# Altium PCB DD2088PoE_Daisy_Chain.PcbDoc (part 2 of 6) (continued)
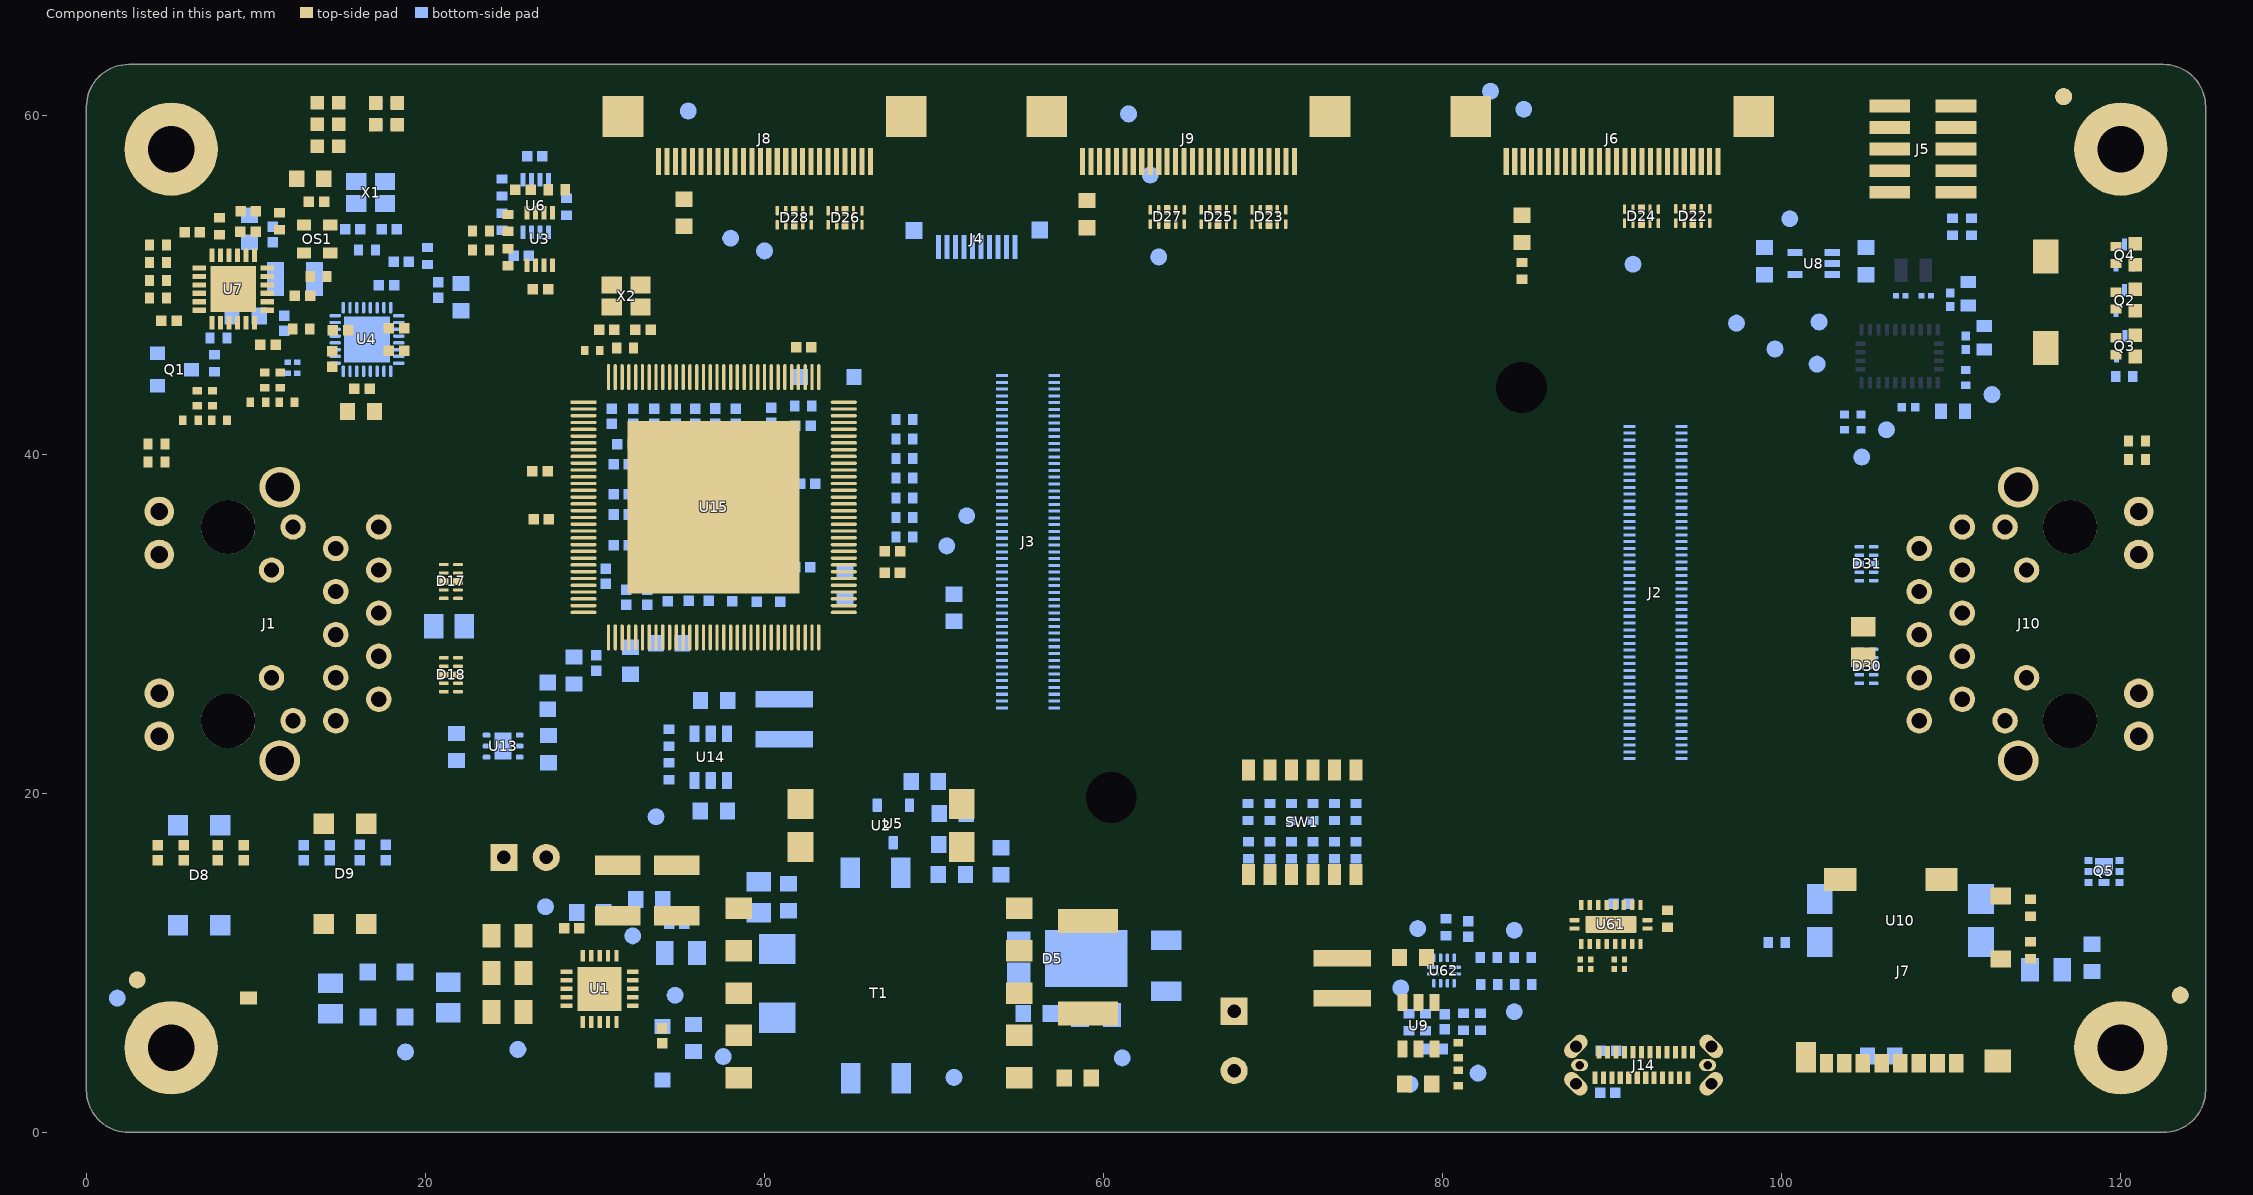
[diagram p6: the components of this part, seen from the top]
## Part data (continued)
R57 R58 R59 R70 R71 R72 R73 R74 R97 R98: library part CRCW0402470RFKED, "RES SMD 470 OHM 1% 1/16W 0402", Case Code (Imperial)=0402, Case Code (Metric)=1005, Manufacturer 1=Vishay, Max Operating Temperature=155°C, Max Power Dissipation=63mW, Min Operating Temperature=-55°C, Package Quantity=10, Resistance=470R, Supplier Part Number 1=541-470LCT-ND, Temperature Coefficient=100ppm/°C, Tolerance=1%, Voltage Rating=50V, Case/Package=0402, ComponentLink1Description=https://datasheet.ciiva.com/11811/0900766b80d98824-11811416.pdf?src-supplier=RSComponents, ComponentLink1URL=https://datasheet.ciiva.com/11811/0900766b80d98824-11811416.pdf?src-supplier=RSComponents, ComponentLink2Description=https://datasheet.ciiva.com/16764/70201119-16764886.pdf?src-supplier=Allied+Electronics, ComponentLink2URL=https://datasheet.ciiva.com/16764/70201119-16764886.pdf?src-supplier=Allied+Electronics, ComponentLink3Description=https://datasheet.ciiva.com/28613/1720486-28613479.pdf?src-supplier=Element14, ComponentLink3URL=https://datasheet.ciiva.com/28613/1720486-28613479.pdf?src-supplier=Element14, ComponentLink4Description=https://datasheet.ciiva.com/3256/dcrcwe3-3256553.pdf?src-supplier=Avnet, ComponentLink4URL=https://datasheet.ciiva.com/3256/dcrcwe3-3256553.pdf?src-supplier=Avnet, ComponentLink5Description=https://datasheet.ciiva.com/7777/1720486-7777243.pdf?src-supplier=Element14, ComponentLink5URL=https://datasheet.ciiva.com/7777/1720486-7777243.pdf?src-supplier=Element14, ComponentLink6Description=https://datasheet.ciiva.com/8336/dcrcwe3-8336715.pdf?src-supplier=Avnet, ComponentLink6URL=https://datasheet.ciiva.com/8336/dcrcwe3-8336715.pdf?src-supplier=Avnet, ComponentLink7Description=https://datasheet.ciiva.com/7777/1697337-7777244.pdf?src-supplier=Element14, ComponentLink7URL=https://datasheet.ciiva.com/7777/1697337-7777244.pdf?src-supplier=Element14, ComponentLink8Description=https://datasheet.ciiva.com/2463/dcrcwe3-2463085.pdf?src-supplier=Digi-Key, ComponentLink8URL=https://datasheet.ciiva.com/2463/dcrcwe3-2463085.pdf?src-supplier=Digi-Key, ComponentLink9Description=https://datasheet.ciiva.com/16362/dcrcwe3-16362109.pdf?src-supplier=Future+Electronics, ComponentLink9URL=https://datasheet.ciiva.com/16362/dcrcwe3-16362109.pdf?src-supplier=Future+Electronics, ComponentLink10Description=https://datasheet.ciiva.com/16882/dcrcwe3-16882493.pdf?src-supplier=Avnet+Europe, ComponentLink10URL=https://datasheet.ciiva.com/16882/dcrcwe3-16882493.pdf?src-supplier=Avnet+Europe, ComponentLink11Description=https://datasheet.ciiva.com/2463/dcrcwe3-2463086.pdf?src-supplier=Digi-Key, ComponentLink11URL=https://datasheet.ciiva.com/2463/dcrcwe3-2463086.pdf?src-supplier=Digi-Key, ComponentLink12Description=https://datasheet.ciiva.com/2463/dcrcwe3-2463087.pdf?src-supplier=Digi-Key, ComponentLink12URL=https://datasheet.ciiva.com/2463/dcrcwe3-2463087.pdf?src-supplier=Digi-Key, Composition="Thick Film", Contact Plating=Tin, Depth=0.5mm, Features="Automotive AEC-Q200", Height=0.35mm, Lead Free="Lead Free", Length=1mm, Manufacturer Part Number 1=CRCW0402470RFKED, Military Standard=Not, Mount="Surface Mount", Number of Terminations=2, Packaging="Tape and Reel", Power Rating=63mW, Pricing 1="1=0.10000, 10=0.03800, 100=0.01540, 1000=0.00690, 2500=0.00599, 5000=0.00495 (USD)", Radiation Hardening=No, REACH SVHC=Unknown, RoHS=Yes, Stock 1=9199, Supplier 1=Digi-Key, Supplier 2=Newark, Supplier Part Number 2=26W9133, Termination=SMD/SMT, Voltage Rating (DC)=50V, Weight=2.3E-05oz, Width=0.5mm
R66 R67 RZ1 RZ2: library part CRCW04020000Z0ED, "RES SMD 0 OHM JUMPER 1/16W 0402", Case Code (Imperial)=0402, Case Code (Metric)=1005, Manufacturer 1=Vishay, Max Operating Temperature=155°C, Max Power Dissipation=63mW, Min Operating Temperature=-55°C, Package Quantity=1, Resistance=0mR, Supplier Part Number 1=541-0.0JCT-ND, Temperature Coefficient=100ppm/°C, Tolerance=5%, Voltage Rating=50V, Case/Package=0402, ComponentLink1Description=https://datasheet.ciiva.com/3255/dcrcwe3-3255944.pdf?src-supplier=Avnet, ComponentLink1URL=https://datasheet.ciiva.com/3255/dcrcwe3-3255944.pdf?src-supplier=Avnet, ComponentLink2Description=https://datasheet.ciiva.com/3255/dcrcwe3-3255945.pdf?src-supplier=Avnet, ComponentLink2URL=https://datasheet.ciiva.com/3255/dcrcwe3-3255945.pdf?src-supplier=Avnet, ComponentLink3Description=https://datasheet.ciiva.com/16881/dcrcwe3-16881413.pdf?src-supplier=Avnet+Europe, ComponentLink3URL=https://datasheet.ciiva.com/16881/dcrcwe3-16881413.pdf?src-supplier=Avnet+Europe, ComponentLink4Description=https://datasheet.ciiva.com/2461/dcrcwe3-2461962.pdf?src-supplier=Digi-Key, ComponentLink4URL=https://datasheet.ciiva.com/2461/dcrcwe3-2461962.pdf?src-supplier=Digi-Key, ComponentLink5Description=https://datasheet.ciiva.com/7841/1720486-7841802.pdf?src-supplier=Element14, ComponentLink5URL=https://datasheet.ciiva.com/7841/1720486-7841802.pdf?src-supplier=Element14, ComponentLink6Description=https://datasheet.ciiva.com/2461/dcrcwe3-2461963.pdf?src-supplier=Digi-Key, ComponentLink6URL=https://datasheet.ciiva.com/2461/dcrcwe3-2461963.pdf?src-supplier=Digi-Key, ComponentLink7Description=https://datasheet.ciiva.com/2461/dcrcwe3-2461964.pdf?src-supplier=Digi-Key, ComponentLink7URL=https://datasheet.ciiva.com/2461/dcrcwe3-2461964.pdf?src-supplier=Digi-Key, ComponentLink8Description=https://datasheet.ciiva.com/7841/1697337-7841468.pdf?src-supplier=Element14, ComponentLink8URL=https://datasheet.ciiva.com/7841/1697337-7841468.pdf?src-supplier=Element14, ComponentLink9Description=https://datasheet.ciiva.com/16761/70200976-16761309.pdf?src-supplier=Allied+Electronics, ComponentLink9URL=https://datasheet.ciiva.com/16761/70200976-16761309.pdf?src-supplier=Allied+Electronics, ComponentLink10Description=https://datasheet.ciiva.com/26311/fld-crcw-e3-data-en-26311550.pdf?src-supplier=Distrelec, ComponentLink10URL=https://datasheet.ciiva.com/26311/fld-crcw-e3-data-en-26311550.pdf?src-supplier=Distrelec, Composition="Thick Film", Contact Plating=Tin, Depth=0.5mm, Features="Automotive AEC-Q200", Height=0.35mm, Lead Free="Lead Free", Length=1mm, Manufacturer Part Number 1=CRCW04020000Z0ED, Military Standard=Not, Mount="Surface Mount", Number of Terminations=2, Packaging="Tape and Reel", Power Rating=63mW, Pricing 1="1=0.10000, 10=0.03400, 25=0.02440, 50=0.01860, 100=0.01380, 250=0.01048, 500=0.00840, 1000=0.00618, 5000=0.00443 (USD)", Radiation Hardening=No, REACH SVHC=Unknown, RoHS=Yes, Stock 1=855968, Supplier 1=Digi-Key, Termination=SMD/SMT, Voltage Rating (DC)=50V, Weight=2.3E-05oz, Width=0.5mm
R68: library part CRCW0402249KFKED, "RES SMD 249K OHM 1% 1/16W 0402", Case Code (Imperial)=0402, Case Code (Metric)=1005, Manufacturer 1=Vishay, Max Operating Temperature=155°C, Max Power Dissipation=63mW, Min Operating Temperature=-55°C, Package Quantity=10, Resistance=249kR, Supplier Part Number 1=541-249KLCT-ND, Temperature Coefficient=100ppm/°C, Tolerance=1%, Voltage Rating=50V, Case/Package=0402, ComponentLink1Description=https://datasheet.ciiva.com/11809/0900766b80d98824-11809983.pdf?src-supplier=RSComponents, ComponentLink1URL=https://datasheet.ciiva.com/11809/0900766b80d98824-11809983.pdf?src-supplier=RSComponents, ComponentLink2Description=https://datasheet.ciiva.com/22871/70201119-22871976.pdf?src-supplier=Allied+Electronics, ComponentLink2URL=https://datasheet.ciiva.com/22871/70201119-22871976.pdf?src-supplier=Allied+Electronics, ComponentLink3Description=https://datasheet.ciiva.com/22709/1697337-22709034.pdf?src-supplier=Element14, ComponentLink3URL=https://datasheet.ciiva.com/22709/1697337-22709034.pdf?src-supplier=Element14, ComponentLink4Description=https://datasheet.ciiva.com/7673/1697337-7673998.pdf?src-supplier=Element14, ComponentLink4URL=https://datasheet.ciiva.com/7673/1697337-7673998.pdf?src-supplier=Element14, ComponentLink5Description=https://datasheet.ciiva.com/2463/dcrcwe3-2463808.pdf?src-supplier=Digi-Key, ComponentLink5URL=https://datasheet.ciiva.com/2463/dcrcwe3-2463808.pdf?src-supplier=Digi-Key, ComponentLink6Description=https://datasheet.ciiva.com/2463/dcrcwe3-2463809.pdf?src-supplier=Digi-Key, ComponentLink6URL=https://datasheet.ciiva.com/2463/dcrcwe3-2463809.pdf?src-supplier=Digi-Key, ComponentLink7Description=https://datasheet.ciiva.com/5542/dcrcwe3-109170-5542680.pdf?src-supplier=Mouser, ComponentLink7URL=https://datasheet.ciiva.com/5542/dcrcwe3-109170-5542680.pdf?src-supplier=Mouser, ComponentLink8Description=https://datasheet.ciiva.com/16774/70201119-16774040.pdf?src-supplier=Allied+Electronics, ComponentLink8URL=https://datasheet.ciiva.com/16774/70201119-16774040.pdf?src-supplier=Allied+Electronics, ComponentLink9Description=https://datasheet.ciiva.com/7743/125364-7743531.pdf?src-supplier=Element14, ComponentLink9URL=https://datasheet.ciiva.com/7743/125364-7743531.pdf?src-supplier=Element14, ComponentLink10Description=https://datasheet.ciiva.com/7673/1697337-7673997.pdf?src-supplier=Element14, ComponentLink10URL=https://datasheet.ciiva.com/7673/1697337-7673997.pdf?src-supplier=Element14, Composition="Thick Film", Contact Plating=Tin, Depth=0.5mm, Features="Automotive AEC-Q200", Height=0.35mm, Lead Free="Lead Free", Length=1mm, Manufacturer 2=Vishay, Manufacturer Part Number 1=CRCW0402249KFKED, Manufacturer Part Number 2=CRCW0402249KFKED, Military Standard=Not, Number of Terminations=2, Packaging="Tape and Reel", Power Rating=63mW, Pricing 1="1=0.10000, 10=0.03800, 100=0.01540, 1000=0.00690, 2500=0.00599, 5000=0.00495 (USD)", Pricing 2="1=0.10000, 10=0.03800, 100=0.01540, 1000=0.00690, 2500=0.00599, 5000=0.00495 (USD)", REACH SVHC=Unknown, RoHS=Yes, Stock 1=241, Stock 2=241, Supplier 1=Digi-Key, Supplier 2=Digi-Key, Supplier Part Number 2=541-249KLDKR-ND, Termination=SMD/SMT, Voltage Rating (DC)=50V, Weight=2.3E-05oz, Width=0.02inch
R69: library part CRCW040256K0FKED, "VISHAY - CRCW040256K0FKED - RES, THICK FILM, 56K, 1%, 0.063W, 0402", Case Code (Imperial)=0402, Case Code (Metric)=1005, Manufacturer 1=Vishay, Max Operating Temperature=155°C, Max Power Dissipation=63mW, Min Operating Temperature=-55°C, Package Quantity=10, Resistance=56kR, Resistance Tolerance=1%, Resistor Type="Thick Film", Supplier Part Number 1=541-56.0KLCT-ND, Temperature Coefficient=100ppm/°C, Voltage Rating=50V, Case/Package=0402, Category="Chip SMD Resistors", ComponentLink1Description=https://datasheet.ciiva.com/11811/0900766b80d98824-11811649.pdf?src-supplier=RSComponents, ComponentLink1URL=https://datasheet.ciiva.com/11811/0900766b80d98824-11811649.pdf?src-supplier=RSComponents, ComponentLink2Description=https://datasheet.ciiva.com/2525/dcrcwe3-2525584.pdf?src-supplier=Digi-Key, ComponentLink2URL=https://datasheet.ciiva.com/2525/dcrcwe3-2525584.pdf?src-supplier=Digi-Key, ComponentLink3Description=https://datasheet.ciiva.com/2525/dcrcwe3-2525585.pdf?src-supplier=Digi-Key, ComponentLink3URL=https://datasheet.ciiva.com/2525/dcrcwe3-2525585.pdf?src-supplier=Digi-Key, ComponentLink4Description=https://datasheet.ciiva.com/2525/dcrcwe3-2525586.pdf?src-supplier=Digi-Key, ComponentLink4URL=https://datasheet.ciiva.com/2525/dcrcwe3-2525586.pdf?src-supplier=Digi-Key, ComponentLink5Description=https://datasheet.ciiva.com/22683/1912744-22683285.pdf?src-supplier=Element14, ComponentLink5URL=https://datasheet.ciiva.com/22683/1912744-22683285.pdf?src-supplier=Element14, ComponentLink6Description=https://datasheet.ciiva.com/16941/dcrcwe3-16941275.pdf?src-supplier=Avnet+Europe, ComponentLink6URL=https://datasheet.ciiva.com/16941/dcrcwe3-16941275.pdf?src-supplier=Avnet+Europe, ComponentLink7Description=https://datasheet.ciiva.com/7841/1697337-7841532.pdf?src-supplier=Element14, ComponentLink7URL=https://datasheet.ciiva.com/7841/1697337-7841532.pdf?src-supplier=Element14, ComponentLink8Description=https://datasheet.ciiva.com/7841/1697337-7841533.pdf?src-supplier=Element14, ComponentLink8URL=https://datasheet.ciiva.com/7841/1697337-7841533.pdf?src-supplier=Element14, ComponentLink9Description=https://datasheet.ciiva.com/3256/dcrcwe3-3256654.pdf?src-supplier=Avnet, ComponentLink9URL=https://datasheet.ciiva.com/3256/dcrcwe3-3256654.pdf?src-supplier=Avnet, ComponentLink10Description=https://datasheet.ciiva.com/3256/dcrcwe3-3256655.pdf?src-supplier=Avnet, ComponentLink10URL=https://datasheet.ciiva.com/3256/dcrcwe3-3256655.pdf?src-supplier=Avnet, Construction=Rectangular, Contact Plating=Tin, Depth=0.5mm, Features="Automotive AEC-Q200", Height=0.35mm, Lead Free="Lead Free", Length=1mm, Manufacturer Part Number 1=CRCW040256K0FKED, Military Standard=Not, Mount="Surface Mount", Number of Pins=2, Number of Terminations=2, Packaging="Tape and Reel", Power Rating=63mW, Pricing 1="10000=0.00500 (USD)", Radiation Hardening=No, REACH SVHC=Unknown, RoHS=Yes, RoHS Compliant=Yes, Series=CRCW, Size Code=0402, Stock 1=180000, Supplier 1=Digi-Key, Supplier 2=Digi-Key, Supplier 3=Digi-Key, Supplier Part Number 2=541-56.0KLDKR-ND, Supplier Part Number 3=541-56.0KLTR-ND, Technology="THICK FILM", Termination=SMD/SMT, Tolerance=1%, Voltage Rating (DC)=50V, Weight=2.3E-05oz, Width=0.02inch
R75 R76: library part RC0402FR-07121KL, "RES SMD 121K OHM 1% 1/16W 0402", Case Code (Imperial)=0402, Case Code (Metric)=1005, Manufacturer 1=Yageo, Max Operating Temperature=155°C, Max Power Dissipation=63mW, Min Operating Temperature=-55°C, Package Quantity=1, Power Rating=62.5mW, Resistance=121kR, Supplier Part Number 1=311-121KLRCT-ND, Temperature Coefficient=100ppm/°C, Tolerance=1%, Voltage Rating=50V, Case/Package=0402, ComponentLink1Description=https://datasheet.ciiva.com/2453/pyu-r-int-thick-7-2453445.pdf?src-supplier=Digi-Key, ComponentLink1URL=https://datasheet.ciiva.com/2453/pyu-r-int-thick-7-2453445.pdf?src-supplier=Digi-Key, ComponentLink2Description=https://datasheet.ciiva.com/2453/pyu-r-int-thick-7-2453446.pdf?src-supplier=Digi-Key, ComponentLink2URL=https://datasheet.ciiva.com/2453/pyu-r-int-thick-7-2453446.pdf?src-supplier=Digi-Key, ComponentLink3Description=https://datasheet.ciiva.com/2453/pyu-r-int-thick-7-2453447.pdf?src-supplier=Digi-Key, ComponentLink3URL=https://datasheet.ciiva.com/2453/pyu-r-int-thick-7-2453447.pdf?src-supplier=Digi-Key, Composition="Thick Film", Depth=0.5mm, Features="Moisture Resistant", Height=0.016inch, Lead Free="Lead Free", Length=1mm, Manufacturer Part Number 1=RC0402FR-07121KL, Military Standard=Not, Number of Terminations=2, Packaging="Tape and Reel", Pricing 1="1=0.10000, 10=0.01600, 100=0.00640, 1000=0.00289, 2500=0.00251, 5000=0.00207 (USD)", REACH SVHC="No SVHC", RoHS=Yes, Stock 1=412120, Supplier 1=Digi-Key, Supplier 2=Newark, Supplier 3=Mouser, Supplier Part Number 2=67R9895, Supplier Part Number 3=603-RC0402FR-07121KL, Termination=SMD/SMT, Voltage Rating (DC)=50V, Width=0.5mm, Working Voltage=50V
R85 R86: library part RC0402FR-072K2L, "RES SMD 2.2K OHM 1% 1/16W 0402", Case Code (Imperial)=0402, Case Code (Metric)=1005, Manufacturer 1=Yageo, Max Operating Temperature=155°C, Min Operating Temperature=-55°C, Power Rating=63mW, Resistance=2.2kR, Supplier Part Number 1=311-2.20KLRCT-ND, Temperature Coefficient=100ppm/°C, Tolerance=1%, Voltage Rating=50V, Case/Package=0402, ComponentLink1Description=https://datasheet.ciiva.com/11808/0900766b80c66297-11808786.pdf?src-supplier=RSComponents, ComponentLink1URL=https://datasheet.ciiva.com/11808/0900766b80c66297-11808786.pdf?src-supplier=RSComponents, ComponentLink2Description=https://datasheet.ciiva.com/12577/pyu-rc0402-51-rohs-l-6-r-12577429.pdf?src-supplier=Mouser, ComponentLink2URL=https://datasheet.ciiva.com/12577/pyu-rc0402-51-rohs-l-6-r-12577429.pdf?src-supplier=Mouser, ComponentLink3Description=https://datasheet.ciiva.com/16741/pyu-rc0402-51-rohs-l-6-r-16741015.pdf?src-supplier=Future+Electronics, ComponentLink3URL=https://datasheet.ciiva.com/16741/pyu-rc0402-51-rohs-l-6-r-16741015.pdf?src-supplier=Future+Electronics, ComponentLink4Description=https://datasheet.ciiva.com/7983/1018594-7983515.pdf?src-supplier=Element14, ComponentLink4URL=https://datasheet.ciiva.com/7983/1018594-7983515.pdf?src-supplier=Element14, ComponentLink5Description=https://datasheet.ciiva.com/46383/1018594-46383563.pdf?src-supplier=Element14, ComponentLink5URL=https://datasheet.ciiva.com/46383/1018594-46383563.pdf?src-supplier=Element14, ComponentLink6Description=https://datasheet.ciiva.com/7849/1018594-7849928.pdf?src-supplier=Element14, ComponentLink6URL=https://datasheet.ciiva.com/7849/1018594-7849928.pdf?src-supplier=Element14, ComponentLink7Description=https://datasheet.ciiva.com/7849/1018594-7849929.pdf?src-supplier=Element14, ComponentLink7URL=https://datasheet.ciiva.com/7849/1018594-7849929.pdf?src-supplier=Element14, Composition="Thick Film", Depth=0.5mm, Height=0.35mm, Lead Free="Lead Free", Length=1mm, Manufacturer Part Number 1=RC0402FR-072K2L, Military Standard=Not, Packaging="Tape and Reel", Pricing 1="1=0.10000, 10=0.01600, 100=0.00640, 1000=0.00289, 2500=0.00251, 5000=0.00207 (USD)", REACH SVHC=Unknown, RoHS=Yes, Stock 1=12579098, Supplier 1=Digi-Key, Supplier 2=Mouser, Supplier 3=Newark, Supplier Part Number 2=603-RC0402FR-072K2L, Supplier Part Number 3=98K7523, Termination=SMD/SMT, Weight=2.3E-05oz, Width=0.5mm
R87: library part CRCW04026K04FKED, "Res Thick Film 0402 6.04K Ohm 1% 0.063W(1/16W) ±100ppm/C Molded SMD Automotive Paper T/R", Case Code (Imperial)=0402, Case Code (Metric)=1005, Manufacturer 1=Vishay, Manufacturer Part Number 1=CRCW04026K04FKEDC, Max Operating Temperature=155°C, Max Power Dissipation=63mW, Min Operating Temperature=-55°C, Package Quantity=10, Resistance=6.04kR, Resistance Tolerance=1%, Resistor Type="Thick Film", Supplier Part Number 1=541-6.04KLCT-ND, Temperature Coefficient=100ppm/°C, Voltage Rating=50V, Case/Package=0402, Category="Chip SMD Resistors", ComponentLink1Description=https://datasheet.ciiva.com/11810/0900766b80d98824-11810128.pdf?src-supplier=RSComponents, ComponentLink1URL=https://datasheet.ciiva.com/11810/0900766b80d98824-11810128.pdf?src-supplier=RSComponents, ComponentLink2Description=https://datasheet.ciiva.com/16426/dcrcwe3-16426295.pdf?src-supplier=Future+Electronics, ComponentLink2URL=https://datasheet.ciiva.com/16426/dcrcwe3-16426295.pdf?src-supplier=Future+Electronics, ComponentLink3Description=https://datasheet.ciiva.com/7172/1533075-7172984.pdf?src-supplier=Newark, ComponentLink3URL=https://datasheet.ciiva.com/7172/1533075-7172984.pdf?src-supplier=Newark, ComponentLink4Description=https://datasheet.ciiva.com/3256/dcrcwe3-3256762.pdf?src-supplier=Avnet, ComponentLink4URL=https://datasheet.ciiva.com/3256/dcrcwe3-3256762.pdf?src-supplier=Avnet, ComponentLink5Description=https://datasheet.ciiva.com/3256/dcrcwe3-3256763.pdf?src-supplier=Avnet, ComponentLink5URL=https://datasheet.ciiva.com/3256/dcrcwe3-3256763.pdf?src-supplier=Avnet, ComponentLink6Description=https://datasheet.ciiva.com/2463/dcrcwe3-2463148.pdf?src-supplier=Digi-Key, ComponentLink6URL=https://datasheet.ciiva.com/2463/dcrcwe3-2463148.pdf?src-supplier=Digi-Key, ComponentLink7Description=https://datasheet.ciiva.com/2463/dcrcwe3-2463149.pdf?src-supplier=Digi-Key, ComponentLink7URL=https://datasheet.ciiva.com/2463/dcrcwe3-2463149.pdf?src-supplier=Digi-Key, ComponentLink8Description=https://datasheet.ciiva.com/5542/dcrcwe3-109170-5542221.pdf?src-supplier=Mouser, ComponentLink8URL=https://datasheet.ciiva.com/5542/dcrcwe3-109170-5542221.pdf?src-supplier=Mouser, ComponentLink9Description=https://datasheet.ciiva.com/2463/dcrcwe3-2463150.pdf?src-supplier=Digi-Key, ComponentLink9URL=https://datasheet.ciiva.com/2463/dcrcwe3-2463150.pdf?src-supplier=Digi-Key, Construction=Rectangular, Contact Plating=Tin, Depth=0.5mm, Features="Automotive AEC-Q200", Height=0.35mm, Lead Free="Lead Free", Length=1mm, Military Standard=Not, Number of Pins=2, Number of Terminations=2, Packaging="Tape and Reel", Power Rating=63mW, Pricing 1="1=0.12500, 25=0.04100, 100=0.01800, 250=0.01400, 500=0.01100, 1000=0.00800 (USD)", Radiation Hardening=No, REACH SVHC=Unknown, RoHS=Yes, RoHS Compliant=Yes, Series=CRCW, Size Code=0402, Stock 1=15940, Supplier 1=Digi-Key, Supplier 2=Digi-Key, Supplier Part Number 2=541-6.04KLTR-ND, Technology="THICK FILM", Termination=SMD/SMT, Tolerance=1%, Voltage Rating (DC)=50V, Weight=2.3E-05oz, Width=0.02inch
R187 R190: library part CRCW04021M80FKED, "RES SMD 1.8M OHM 1% 1/16W 0402", Case Code (Imperial)=0402, Case Code (Metric)=1005, Manufacturer 1=Vishay, Max Operating Temperature=155°C, Min Operating Temperature=-55°C, Package Quantity=10000, Power Rating=63mW, Resistance=1.8MR, Supplier Part Number 1=541-1.80MLCT-ND, Temperature Coefficient=100ppm/°C, Tolerance=1%, Voltage Rating=50V, Case/Package=0402, ComponentLink1Description=https://datasheet.ciiva.com/11812/0900766b80d98824-11812579.pdf?src-supplier=RSComponents, ComponentLink1URL=https://datasheet.ciiva.com/11812/0900766b80d98824-11812579.pdf?src-supplier=RSComponents, ComponentLink2Description=https://datasheet.ciiva.com/16886/dcrcwe3-16886536.pdf?src-supplier=Avnet+Europe, ComponentLink2URL=https://datasheet.ciiva.com/16886/dcrcwe3-16886536.pdf?src-supplier=Avnet+Europe, ComponentLink3Description=https://datasheet.ciiva.com/7800/1697337-7800987.pdf?src-supplier=Element14, ComponentLink3URL=https://datasheet.ciiva.com/7800/1697337-7800987.pdf?src-supplier=Element14, ComponentLink4Description=https://datasheet.ciiva.com/16786/70201119-16786875.pdf?src-supplier=Allied+Electronics, ComponentLink4URL=https://datasheet.ciiva.com/16786/70201119-16786875.pdf?src-supplier=Allied+Electronics, ComponentLink5Description=https://datasheet.ciiva.com/22676/1700796-22676027.pdf?src-supplier=Element14, ComponentLink5URL=https://datasheet.ciiva.com/22676/1700796-22676027.pdf?src-supplier=Element14, ComponentLink6Description=https://datasheet.ciiva.com/7800/1697337-7800988.pdf?src-supplier=Element14, ComponentLink6URL=https://datasheet.ciiva.com/7800/1697337-7800988.pdf?src-supplier=Element14, ComponentLink7Description=https://datasheet.ciiva.com/26316/fld-crcw-e3-data-en-26316605.pdf?src-supplier=Distrelec, ComponentLink7URL=https://datasheet.ciiva.com/26316/fld-crcw-e3-data-en-26316605.pdf?src-supplier=Distrelec, ComponentLink8Description=https://datasheet.ciiva.com/8336/dcrcwe3-8336646.pdf?src-supplier=Avnet, ComponentLink8URL=https://datasheet.ciiva.com/8336/dcrcwe3-8336646.pdf?src-supplier=Avnet, Composition="Thick Film", Contact Plating=Tin, Depth=0.5mm, Height=0.35mm, Lead Free="Lead Free", Length=1mm, Manufacturer Part Number 1=CRCW04021M80FKED, Military Standard=Not, Mount="Surface Mount", Number of Pins=2, Packaging="Tape and Reel", Pricing 1="1=0.10000, 10=0.03800, 100=0.01540, 1000=0.00690, 2500=0.00599, 5000=0.00495 (USD)", Radiation Hardening=No, REACH SVHC=Unknown, RoHS=Yes, Stock 1=26061, Supplier 1=Digi-Key, Termination=SMD/SMT, Voltage Rating (DC)=50V, Weight=2.3E-05oz, Width=0.5mm
SW1: library part A6H-6102, "SWITCH SLIDE DIP SPST 25MA 24V (SEALED)", Case/Package=DIP, Contact Resistance=200mR, Current Rating=25mA, Manufacturer 1=Omron, Max Operating Temperature=70°C, Max Voltage Rating (DC)=24V, Min Operating Temperature=-20°C, Package Quantity=54, Supplier Part Number 1=SW1117-ND, Actuator Length=0mm, Actuator Type="Slide (Standard)", ComponentLink1Description=https://datasheet.ciiva.com/26883/getdatasheetpartid-744653-26883354.pdf?src-supplier=Verical, ComponentLink1URL=https://datasheet.ciiva.com/26883/getdatasheetpartid-744653-26883354.pdf?src-supplier=Verical, ComponentLink2Description=https://datasheet.ciiva.com/2864/a6h-1110-2864768.pdf?src-supplier=Digi-Key, ComponentLink2URL=https://datasheet.ciiva.com/2864/a6h-1110-2864768.pdf?src-supplier=Digi-Key, ComponentLink3Description=https://datasheet.ciiva.com/1529/611565-1529044.pdf?src-supplier=Element14, ComponentLink3URL=https://datasheet.ciiva.com/1529/611565-1529044.pdf?src-supplier=Element14, ComponentLink4Description=https://datasheet.ciiva.com/16198/a6h-1110-16198863.pdf?src-supplier=Onlinecomponents.com, ComponentLink4URL=https://datasheet.ciiva.com/16198/a6h-1110-16198863.pdf?src-supplier=Onlinecomponents.com, Depth=6.7mm, Electrical Life=1000Cycles, Height=1.55mm, Length=0.348inch, Manufacturer Part Number 1=A6H-6102, Max Current Rating=25mA, Mechanical Life=1000Cycles, Mount="Surface Mount", Number of Circuits=6, Number of Poles=4, Number of Positions=6, Orientation=Straight, Packaging=Rail/Tube, Pitch=0.05inch, Pricing 1="1=2.66000, 10=2.57900, 25=2.44640, 50=2.28700, 100=2.23380, 250=1.91468, 500=1.86148, 1000=1.59555, 5000=1.46259 (USD)", Radiation Hardening=No, REACH SVHC=Unknown, RoHS=Yes, Stock 1=3953, Supplier 1=Digi-Key, Supplier 2=Mouser, Supplier 3=Farnell, Supplier Part Number 2=653-A6H-6102, Supplier Part Number 3=1829491, Terminal Pitch=1.27mm, Termination="Gull Wing", Throw Configuration=SPST, Voltage Rating (DC)=24V, Washable=Yes, Weight=0.12g, Width=4.5mm
T1: "TRANS FLYBACK POE 127UH SMD", Case/Package=SMD/SMT, Current Rating=1.3A, Frequency=500kHz, Inductance=127uH, Manufacturer 1="Wurth Electronics", Max Input Voltage=57V, Max Operating Temperature=125°C, Min Input Voltage=36V, Min Operating Temperature=-40°C, Output Voltage=5V, Package Quantity=1, Power Rating=13W, Supplier Part Number 1=732-2432-1-ND, ComponentLink1Description="Manufacturer URL", ComponentLink1URL=http://www.we-online.com, ComponentLink2Description=Datasheet, ComponentLink2URL=http://www.we-online.de/katalog/media/pdf/749119950.pdf, ComponentLink3Description=https://datasheet.ciiva.com/1378/749119950-1378246.pdf?src-supplier=Element14, ComponentLink3URL=https://datasheet.ciiva.com/1378/749119950-1378246.pdf?src-supplier=Element14, ComponentLink4Description=https://datasheet.ciiva.com/5309/749119950-91646-5309801.pdf?src-supplier=Mouser, ComponentLink4URL=https://datasheet.ciiva.com/5309/749119950-91646-5309801.pdf?src-supplier=Mouser, ComponentLink5Description=https://datasheet.ciiva.com/1386/749119950-1386647.pdf?src-supplier=Farnell, ComponentLink5URL=https://datasheet.ciiva.com/1386/749119950-1386647.pdf?src-supplier=Farnell, ComponentLink6Description=https://datasheet.ciiva.com/2940/749119950-2940138.pdf?src-supplier=Digi-Key, ComponentLink6URL=https://datasheet.ciiva.com/2940/749119950-2940138.pdf?src-supplier=Digi-Key, ComponentLink7Description=https://datasheet.ciiva.com/2940/749119950-2940139.pdf?src-supplier=Digi-Key, ComponentLink7URL=https://datasheet.ciiva.com/2940/749119950-2940139.pdf?src-supplier=Digi-Key, Height=12.5mm, Height - Seated (Max)=12.5mm, Length=13.5mm, Manufacturer Part Number 1=749119950, Mount="Surface Mount", Packaging="Tape and Reel", Pricing 1="1=5.64000, 10=5.44300, 50=5.14100, 100=4.83800 (USD)", REACH SVHC="No SVHC", RoHS=Yes, Stock 1=148, Supplier 1=Digi-Key, Supplier 2=Digi-Key, Supplier 3=Mouser, Supplier Part Number 2=732-2432-6-ND, Supplier Part Number 3=710-749119950, Width=17.75mm
TP1 TP2 TP3 TP5 TP6 TP7 TP8 TP9 TP10 TP11 TP12 TP13 TP14 TP19 TP23 TP24 TP25 TP26 TP27 TP28 TP29 TP30 TP31 TP32 TP33 TP34 TP35 TP36 TP37 TP40 TP41 TP42 TP43 TP44: library part TEST_POINT
U1: "IC POE CNTRL 1 CHANNEL 20QFN", Manufacturer 1="Silicon Labs", Supplier Part Number 1=336-4270-ND, ComponentLink1Description=https://www.silabs.com/documents/public/data-sheets/si3404-datasheet.pdf?src-supplier=Digi-Key, ComponentLink1URL=https://www.silabs.com/documents/public/data-sheets/si3404-datasheet.pdf?src-supplier=Digi-Key, Manufacturer Part Number 1=SI3404-A-GM, Pricing 1="1=1.46000, 25=1.41040, 100=1.35600, 1000=1.33340 (USD)", RoHS=No, Stock 1=1481, Supplier 1=Digi-Key, Supplier 2=Mouser, Supplier Part Number 2=634-SI3404-A-GM
U2 U10: "OPTOISOLATOR 5.3KV TRANS 4-SMD", Case/Package=SMD/SMT, Collector Emitter Saturation Voltage=400mV, Collector Emitter Voltage (VCEO)=80V, Current Transfer Ratio=100%, Forward Current=60mA, Forward Voltage=1.1V, Isolation Voltage=5.3kV, Manufacturer 1="Vishay Semiconductors", Max Collector Current=50mA, Max Operating Temperature=110°C, Max Power Dissipation=150mW, Min Operating Temperature=-55°C, Package Quantity=1, Reverse Breakdown Voltage=6V, Supplier Part Number 1=VO618A-3X017TCT-ND, ComponentLink1Description=https://datasheet.ciiva.com/26183/vo618a-26183397.pdf?src-supplier=Avnet+Europe, ComponentLink1URL=https://datasheet.ciiva.com/26183/vo618a-26183397.pdf?src-supplier=Avnet+Europe, ComponentLink2Description=https://datasheet.ciiva.com/2087/vo618a-2087431.pdf?src-supplier=Digi-Key, ComponentLink2URL=https://datasheet.ciiva.com/2087/vo618a-2087431.pdf?src-supplier=Digi-Key, ComponentLink3Description=https://datasheet.ciiva.com/2087/vo618a-2087432.pdf?src-supplier=Digi-Key, ComponentLink3URL=https://datasheet.ciiva.com/2087/vo618a-2087432.pdf?src-supplier=Digi-Key, ComponentLink4Description=https://datasheet.ciiva.com/2087/vo618a-2087433.pdf?src-supplier=Digi-Key, ComponentLink4URL=https://datasheet.ciiva.com/2087/vo618a-2087433.pdf?src-supplier=Digi-Key, Contact Plating=Tin, Input Current=60mA, Lead Free="Lead Free", Manufacturer Part Number 1=VO618A-3X017T, Max Input Current=60mA, Max Output Voltage=80V, Mount="Surface Mount", Number of Channels=1, Number of Elements=1, Number of Pins=4, Output Current per Channel=50mA, Packaging="Tape and Reel", Power Dissipation=150mW, Pricing 1="1=1.04000, 10=0.80900, 100=0.51980, 500=0.43890 (USD)", Radiation Hardening=No, REACH SVHC=Unknown, RoHS=Yes, Stock 1=28306, Supplier 1=Digi-Key, Supplier 2=Newark, Supplier 3=Mouser, Supplier Part Number 2=48W3695, Supplier Part Number 3=78-VO618A-3X017T
U3 U6: library part TXS0102DCUR, "TEXAS INSTRUMENTS - TXS0102DCUR - IC, TRANSLATOR, 2 BIT, BI, US-8", Case/Package=VSSOP, High Level Output Current=-20uA, Low Level Output Current=1mA, Manufacturer 1="Texas Instruments", Max Operating Temperature=85°C, Max Supply Voltage=5.5V, Min Operating Temperature=-40°C, Min Supply Voltage=1.65V, Nominal Supply Current=14.4uA, Output Current=1A, Package Quantity=1, Supplier Part Number 1=296-21931-1-ND, Category="Logic Gates", ComponentLink1Description=https://datasheet.ciiva.com/15096/getdatasheetpartid-118249-15096172.pdf?src-supplier=Verical, ComponentLink1URL=https://datasheet.ciiva.com/15096/getdatasheetpartid-118249-15096172.pdf?src-supplier=Verical, ComponentLink2Description=https://datasheet.ciiva.com/22653/1846850-22653373.pdf?src-supplier=Farnell, ComponentLink2URL=https://datasheet.ciiva.com/22653/1846850-22653373.pdf?src-supplier=Farnell, ComponentLink3Description=https://datasheet.ciiva.com/1508/1857232-1508821.pdf?src-supplier=Element14, ComponentLink3URL=https://datasheet.ciiva.com/1508/1857232-1508821.pdf?src-supplier=Element14, ComponentLink4Description=https://datasheet.ciiva.com/1899/txs0102-1899368.pdf?src-supplier=Digi-Key, ComponentLink4URL=https://datasheet.ciiva.com/1899/txs0102-1899368.pdf?src-supplier=Digi-Key, ComponentLink5Description=https://datasheet.ciiva.com/1899/txs0102-1899369.pdf?src-supplier=Digi-Key, ComponentLink5URL=https://datasheet.ciiva.com/1899/txs0102-1899369.pdf?src-supplier=Digi-Key, ComponentLink6Description=https://datasheet.ciiva.com/1899/txs0102-1899370.pdf?src-supplier=Digi-Key, ComponentLink6URL=https://datasheet.ciiva.com/1899/txs0102-1899370.pdf?src-supplier=Digi-Key, ComponentLink7Description=https://datasheet.ciiva.com/14287/txs0102-14287516.pdf?src-supplier=Avnet, ComponentLink7URL=https://datasheet.ciiva.com/14287/txs0102-14287516.pdf?src-supplier=Avnet, ComponentLink8Description=https://datasheet.ciiva.com/28499/1863639-28499676.pdf?src-supplier=Element14, ComponentLink8URL=https://datasheet.ciiva.com/28499/1863639-28499676.pdf?src-supplier=Element14, ComponentLink9Description=https://datasheet.ciiva.com/14287/txs0102-14287518.pdf?src-supplier=Avnet, ComponentLink9URL=https://datasheet.ciiva.com/14287/txs0102-14287518.pdf?src-supplier=Avnet, ComponentLink10Description=https://datasheet.ciiva.com/46395/1863639-46395871.pdf?src-supplier=Element14, ComponentLink10URL=https://datasheet.ciiva.com/46395/1863639-46395871.pdf?src-supplier=Element14, Data Rate=24Mbps, Lead Free="Lead Free", Logic Function=Translator, Manufacturer Part Number 1=TXS0102DCUR, Number of Bits=2, Number of Channels=2, Number of Inputs=2, Number of Pins=8, Output Type=Voltage, Packaging="Tape and Reel", Pricing 1="1=0.75000, 10=0.65900, 25=0.61960, 100=0.50550, 250=0.46956, 500=0.39964, 1000=0.31971 (USD)", Propagation Delay=4.6ns, Quiescent Current=14.4uA, Radiation Hardening=No, REACH SVHC="No SVHC", RoHS=Yes, Stock 1=55123, Supplier 1=Digi-Key, Supplier 2=Newark, Supplier 3=Mouser, Supplier Part Number 2=30M1878, Supplier Part Number 3=595-TXS0102DCUR, Turn-On Delay Time=260ns, Weight=0.000339oz
U4: library part RTL8111HS, "IC ETHERNET/PCIe PHY Realtek", Manufacturer 1=Realtek, Manufacturer Part Number 1=RTL8111HS-CG, Supplier 1="Symmetry Electronics", Supplier 2="Future Electronics", Supplier Part Number 1=RTL8111HS-CG, Supplier Part Number 2=RTL8111HS-CG